# Altium PCB 1534级主板 -DRV3388-2.PcbDoc (part 3 of 3)
Units mil, origin at the board's own origin, x right, y up, seen from the top; angles counter-clockwise.
Board outline 2090.18 x 2701.44 mil, 2 copper layers (Top Layer, Bottom Layer); 7 components, 36 nets, 245 pads, 155 vias.
Unrouted connection lines stored in the file: 16.
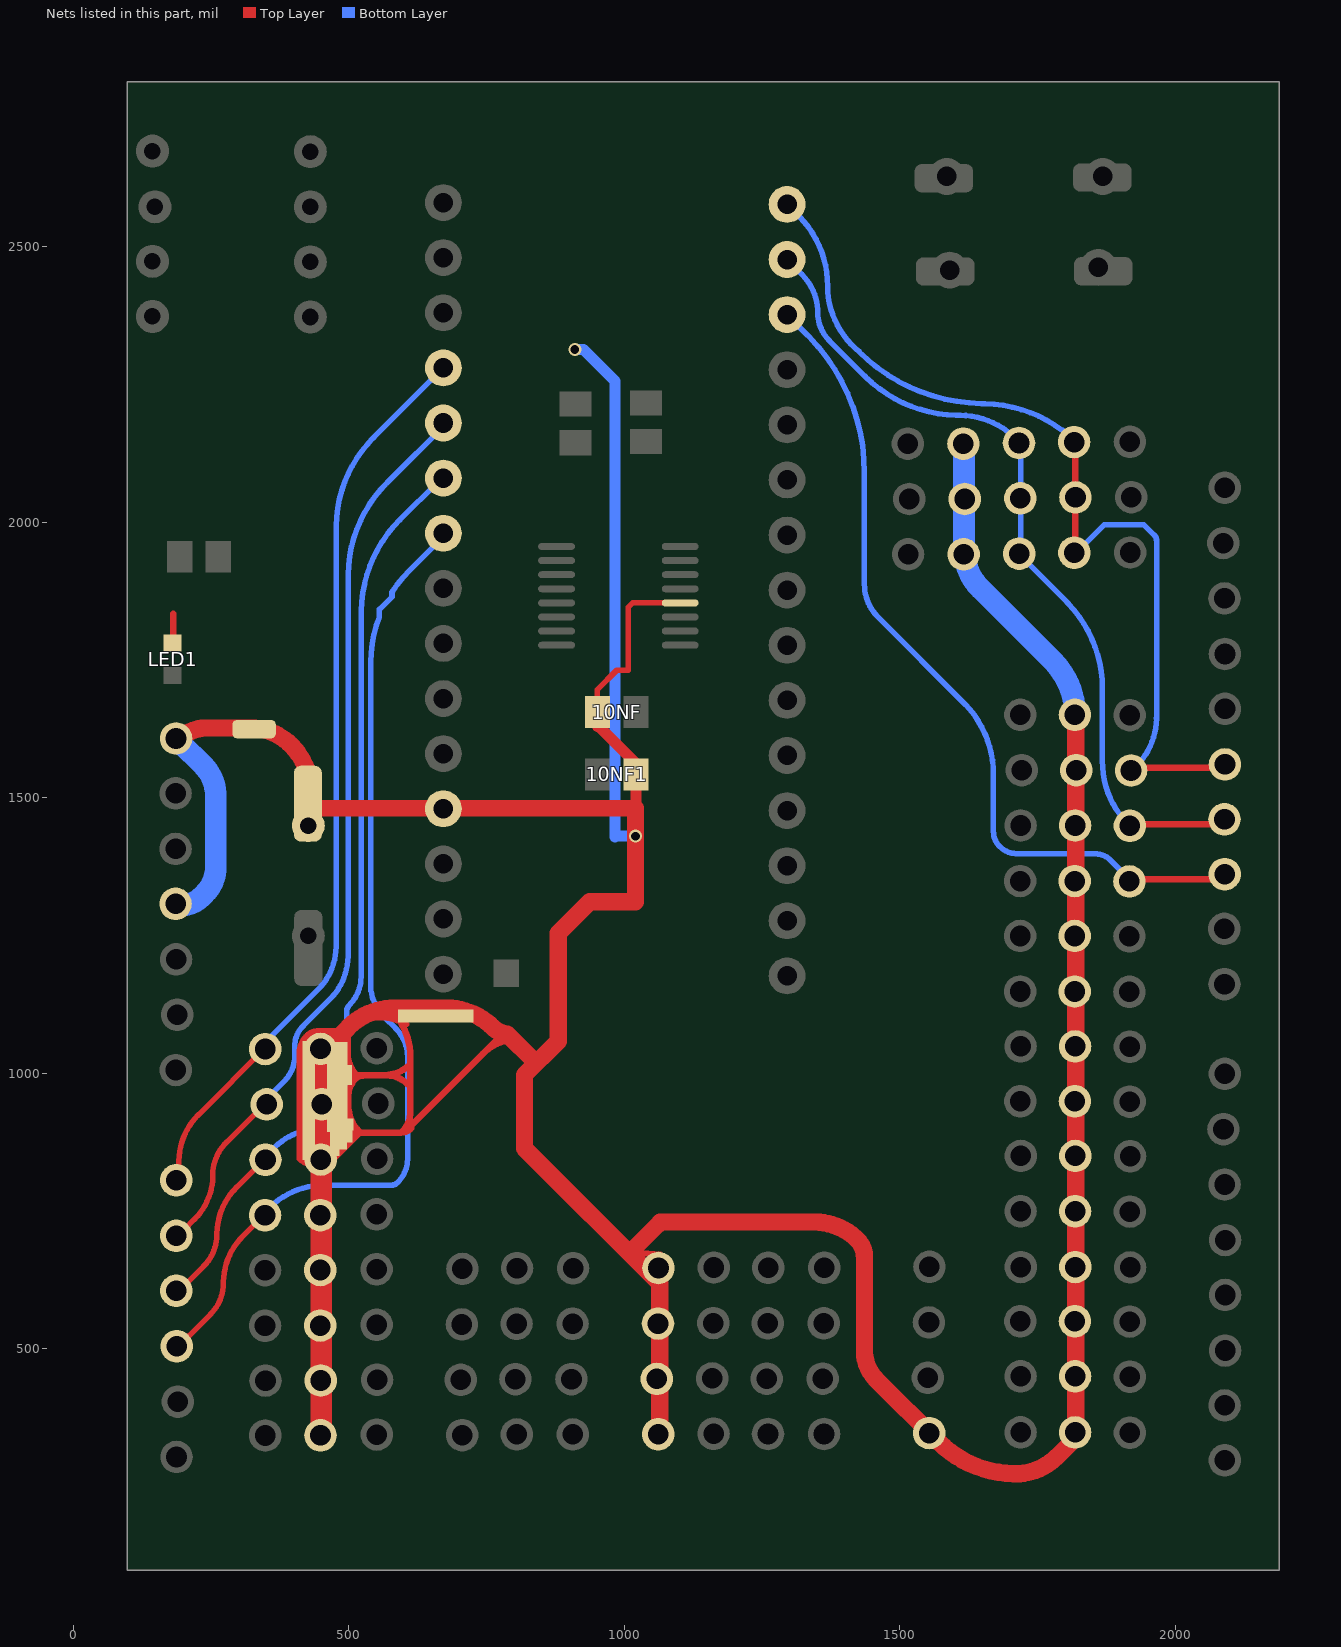
[diagram p3: the nets of this part, all layers, seen from the top]

## Via types
v1: diameter 23.62, hole 15.75, Top Layer to Bottom Layer, 153 vias
v2: diameter 50, hole 28, Top Layer to Bottom Layer, 2 vias

## Nets (pads, with @x,y where several pads share a name; then routed paths per layer and width w, separated by ;. In a path a pad name is that pad's centre, name@x,y a point inside that pad or via, vN(x,y) a via of type N, cw(c..) or ccw(c..) an arc to the next point about the centre after c; other vN are vias at no path point) (continued)
$Net23: pad.0@1295.08,2376.33 pad.0@1916.31,1347.8 pad.0@2089.25,1360.9 | length 1489.4
  Top Layer w11.81: pad.0@1922.99,1352.18 2062.4,1352.18 2062.6,1352.17 2063.4,1352.13 2064.19,1352.03 2064.97,1351.88 2065.74,1351.67 2066.5,1351.41 2067.24,1351.1 2067.95,1350.74 2068.63,1350.33 2069.29,1349.87 2069.91,1349.36 pad.0@2070.49,1348.82
  Bottom Layer w10: pad.0@1303.41,2367.99 1331.7,2339.69 1336.04,2335.28 1352.59,2316.9 1367.82,2297.41 1381.65,2276.91 1394.01,2255.49 1404.85,2233.26 1414.12,2210.32 1421.76,2186.8 1427.75,2162.8 1432.04,2138.45 1434.63,2113.85 1435.49,2089.13 1435.49,1886.8 1435.69,1880.97 1436.3,1875.17 1437.32,1869.42 1438.73,1863.76 1440.53,1858.21 1442.72,1852.8 1445.28,1847.55 1448.19,1842.5 1451.46,1837.66 1455.05,1833.06 1458.95,1828.73 1459.98,1827.69 1615.68,1671.98 1617.94,1669.68 1626.55,1660.13 1634.47,1649.99 1641.66,1639.33 1648.09,1628.19 1653.73,1616.63 1658.55,1604.7 1662.52,1592.47 1665.63,1579.99 1667.87,1567.33 1669.21,1554.53 1669.66,1541.68 1669.66,1437.9 1669.75,1435.32 1670.02,1432.75 1670.47,1430.21 1671.09,1427.7 1671.89,1425.25 1672.86,1422.85 1673.99,1420.53 1675.28,1418.3 1676.72,1416.16 1678.31,1414.12 1680.04,1412.2 1680.49,1411.74 1682.89,1409.5 1685.43,1407.44 1688.12,1405.56 1690.93,1403.87 1693.85,1402.39 1696.86,1401.11 1699.96,1400.04 1703.13,1399.19 1706.35,1398.57 1709.6,1398.17 1712.87,1398 1713.69,1397.99 1853.82,1397.99 1854.53,1397.98 1857.34,1397.83 1860.13,1397.49 1862.89,1396.95 1865.61,1396.23 1868.26,1395.31 1870.85,1394.21 1873.36,1392.94 1875.77,1391.49 1878.07,1389.88 1880.25,1388.11 1882.31,1386.19 1914.3,1354.2 1914.35,1354.15 1914.54,1353.94 1914.71,1353.71 1914.87,1353.48 1915.01,1353.23 1915.14,1352.98 1915.24,1352.71 1915.33,1352.44 1915.4,1352.17 1915.45,1351.89 1915.48,1351.6 pad.0@1915.49,1351.32
$Net24: pad.0@1295.08,2476.33 pad.0@1715.92,2143.4 pad.0@1716.34,1942.58 pad.0@1718.42,2043 pad.0@1917.15,1448.64 pad.0@2088.84,1460.49 | length 1512
  Top Layer w11.81: pad.0@1928.83,1451.33 2098.44,1451.33 2099.63,1451.37 2100.81,1451.5 2101.98,1451.7 2103.14,1451.99 2104.27,1452.36 2105.37,1452.8 2106.44,1453.32 2107.47,1453.92 2108.46,1454.58 2109.39,1455.32 2110.28,1456.11 pad.0@2110.49,1456.32
  Bottom Layer w10: pad.0@1288.45,2481.34 1288.59,2481.33 1288.73,2481.31 1288.86,2481.29 1288.99,2481.25 1289.12,2481.21 1289.25,2481.15 1289.37,2481.09 1289.49,2481.02 1289.6,2480.94 1289.71,2480.85 pad.0@1289.81,2480.76 ; pad.0@1295.08,2476.33 1321.67,2449.75 1322.88,2448.51 1327.55,2443.32 1331.85,2437.82 1335.75,2432.03 1339.24,2425.99 1342.3,2419.71 1344.92,2413.24 1347.08,2406.6 1348.76,2399.83 1349.98,2392.96 1350.71,2386.02 1350.95,2379.04 1351.12,2374.16 1351.63,2369.3 1352.48,2364.49 1353.66,2359.75 1355.17,2355.1 1357,2350.57 1359.14,2346.18 1361.59,2341.95 1364.32,2337.89 1367.33,2334.04 1370.6,2330.41 1371.43,2329.57 ; 1371.46,2329.54 1436.79,2264.2 1449.05,2252.76 1462.09,2242.21 1475.82,2232.59 1490.2,2223.95 1505.14,2216.34 1520.58,2209.79 1536.43,2204.33 1552.63,2199.99 1569.09,2196.79 1585.74,2194.74 1602.49,2193.87 1606.69,2193.83 1609.26,2193.81 1619.58,2193.27 1629.83,2192.01 1639.97,2190.04 1649.95,2187.37 1659.71,2184 1669.22,2179.97 1678.42,2175.28 1687.28,2169.96 1695.74,2164.03 1703.77,2157.53 pad.0@1711.32,2150.49 ; pad.0@1718.82,2144.24 1718.82,1947.42 1718.88,1945.83 1719.04,1944.25 1719.32,1942.69 1719.7,1941.15 1720.19,1939.64 1720.79,1938.16 1721.48,1936.73 1722.28,1935.36 1723.17,1934.04 1724.14,1932.79 1725.21,1931.61 pad.0@1725.49,1931.32 ; pad.0@1725.52,1931.32 1725.66,1931.31 1725.8,1931.29 1725.94,1931.27 1726.08,1931.23 1726.21,1931.18 1726.34,1931.13 1726.46,1931.07 1726.58,1930.99 1726.7,1930.91 1726.81,1930.83 1726.91,1930.73 1802.3,1855.35 ; 1802.17,1855.08 1804.89,1852.32 1815.25,1840.81 1824.79,1828.6 1833.45,1815.76 1841.19,1802.35 1847.98,1788.42 1853.79,1774.06 1858.57,1759.33 1862.32,1744.3 1865.01,1729.05 1866.63,1713.64 1867.17,1698.16 1867.17,1566.34 1867.57,1554.83 1868.78,1543.38 1870.78,1532.04 1873.56,1520.86 1877.12,1509.91 1881.43,1499.23 1886.48,1488.88 1892.24,1478.91 1898.68,1469.36 1905.77,1460.29 1913.48,1451.73 1915.49,1449.68 pad.0@1915.89,1449.27
$Net25: pad.0@1295.08,2576.33 pad.0@1815.91,2145.06 pad.0@1816.33,1944.24 pad.0@1818.41,2044.66 pad.0@1919.24,1549.06 pad.0@2089.67,1560.08 | length 1752.4
  Top Layer w11.81: pad.0@1818.41,2152.99 1818.41,1941.63 1818.42,1941.23 1818.47,1940.83 1818.53,1940.44 1818.63,1940.05 1818.75,1939.67 1818.9,1939.3 1819.08,1938.94 1819.28,1938.6 1819.5,1938.27 1819.75,1937.95 1820.02,1937.66 pad.0@1820.08,1937.58 ; pad.0@1922.17,1553.83 2094.81,1553.83 2094.91,1553.83 2095.31,1553.81 2095.7,1553.77 2096.09,1553.69 2096.47,1553.59 2096.85,1553.46 2097.21,1553.3 2097.57,1553.12 2097.91,1552.92 2098.23,1552.69 2098.54,1552.44 pad.0@2098.83,1552.17
  Bottom Layer w10: pad.0@1292.58,2577.17 1292.67,2577.17 1293.01,2577.15 1293.36,2577.11 1293.7,2577.04 1294.04,2576.95 1294.37,2576.84 1294.69,2576.7 1295,2576.55 1295.3,2576.37 1295.58,2576.17 1295.86,2575.95 1296.11,2575.71 1315.79,2556.02 1318,2553.77 1326.46,2544.38 1334.24,2534.42 1341.31,2523.94 1347.63,2513 1353.17,2501.64 1357.9,2489.92 1361.81,2477.9 1364.86,2465.64 1367.06,2453.19 1368.38,2440.62 1368.82,2427.99 ; 1368.54,2429.16 1368.91,2418.43 1370.04,2407.75 1371.9,2397.17 1374.5,2386.75 1377.82,2376.54 1381.84,2366.58 1386.55,2356.93 1391.92,2347.63 1397.92,2338.72 1404.54,2330.26 1411.72,2322.28 1419.45,2314.82 1426.44,2308.89 ; 1425.2,2309.45 1441.69,2294.07 1459.21,2279.89 1477.68,2266.95 1497,2255.34 1517.09,2245.11 1537.84,2236.3 1559.16,2228.96 1580.94,2223.12 1603.07,2218.82 1625.45,2216.07 1647.96,2214.89 1653.6,2214.85 ; 1649.66,2214.68 1653.87,2214.64 1670.7,2213.76 1687.43,2211.71 1703.97,2208.49 1720.24,2204.13 1736.18,2198.65 1751.69,2192.06 1766.7,2184.41 1781.15,2175.73 1794.95,2166.07 1808.05,2155.46 pad.0@1820.37,2143.97 ; pad.0@1818.42,1943.42 1818.49,1943.42 1818.56,1943.43 1818.63,1943.44 1818.7,1943.46 1818.77,1943.48 1818.83,1943.51 1818.89,1943.54 1818.96,1943.57 1819.01,1943.61 1819.07,1943.66 pad.0@1819.12,1943.7 ; pad.0@1819.13,1943.71 1870.35,1994.94 1881.1,1994.94 ; 1878.86,1994.93 1942.74,1994.93 1961.74,1975.93 1961.9,1975.76 1962.5,1975.1 1963.05,1974.39 1963.55,1973.65 1963.99,1972.88 1964.38,1972.08 1964.72,1971.25 1964.99,1970.4 1965.21,1969.53 1965.37,1968.65 1965.46,1967.76 1965.49,1966.87 1965.49,1645.67 1965.47,1643.49 1965.01,1634.76 1963.95,1626.09 1962.28,1617.52 1960.02,1609.08 1957.17,1600.82 1953.76,1592.78 1949.8,1584.99 1945.3,1577.5 1940.29,1570.35 1934.79,1563.56 pad.0@1928.83,1557.17
$Net26: pad.0@186.75,805.5 pad.0@348.2,1043.62 pad.0@671.33,2279.65 | length 1655.7
  Top Layer w10: pad.0@190.49,788.82 190.63,788.97 190.75,789.12 190.87,789.29 190.97,789.46 191.06,789.64 191.14,789.82 191.21,790.01 191.26,790.2 191.3,790.4 191.32,790.6 191.33,790.8 191.33,790.86 191.33,838.83 191.36,840.95 191.8,849.36 192.82,857.72 194.43,865.99 196.61,874.13 199.35,882.1 202.65,889.85 206.47,897.36 210.81,904.58 215.64,911.48 220.94,918.03 226.69,924.19 pad.0@350.74,1048.24 ; pad.0@350.77,1048.27 350.88,1048.36 350.99,1048.45 351.1,1048.52 351.23,1048.59 351.35,1048.66 351.48,1048.71 351.62,1048.75 351.75,1048.79 351.89,1048.81 352.03,1048.83 pad.0@352.17,1048.83
  Bottom Layer w10: pad.0@355.87,1063.37 443.83,1151.33 449.18,1157.07 454.11,1163.16 458.61,1169.58 462.65,1176.31 466.21,1183.29 469.28,1190.51 471.83,1197.93 473.86,1205.5 475.36,1213.2 476.31,1220.99 476.72,1228.82 476.74,1230.78 476.74,1988.82 476.78,1992.89 477.62,2009.08 479.6,2025.18 482.7,2041.1 486.89,2056.77 492.17,2072.1 498.51,2087.03 505.88,2101.48 514.23,2115.39 523.53,2128.67 533.74,2141.28 544.8,2153.14 pad.0@669.07,2277.4
  Bottom Layer w11.81: pad.0@352.99,1062.18 353.27,1062.19 353.56,1062.22 353.84,1062.27 354.11,1062.34 354.38,1062.43 354.65,1062.53 354.9,1062.66 355.15,1062.8 355.38,1062.96 355.61,1063.13 355.82,1063.32 pad.0@355.87,1063.37 ; pad.0@669.09,2277.43 669.2,2277.52 669.31,2277.61 669.42,2277.68 669.55,2277.75 669.67,2277.82 669.8,2277.87 669.94,2277.91 670.07,2277.95 670.21,2277.97 670.35,2277.99 pad.0@670.49,2277.99
$Net27: pad.0@186.74,704.68 pad.0@350.7,943.22 pad.0@671.33,2179.65 | length 1629.4
  Top Layer w10: pad.0@200.49,715.49 219.98,734.98 225.35,740.73 230.3,746.85 234.81,753.29 238.86,760.04 242.43,767.05 245.51,774.29 248.07,781.73 250.1,789.33 251.61,797.05 252.56,804.86 252.98,812.71 252.99,814.68 253.01,816.14 253.31,822.03 254.03,827.88 255.16,833.67 256.68,839.36 258.6,844.94 260.91,850.36 263.58,855.62 266.62,860.67 270,865.5 273.71,870.08 277.73,874.39 342.9,939.56 342.97,939.63 343.29,939.92 343.62,940.18 343.97,940.41 344.33,940.62 344.71,940.81 345.1,940.97 345.51,941.1 345.91,941.2 346.33,941.27 346.75,941.32 pad.0@347.17,941.33
  Bottom Layer w10: pad.0@353.79,956.29 382.43,984.93 385.57,988.3 388.46,991.87 391.1,995.64 393.47,999.59 395.56,1003.69 397.36,1007.92 398.86,1012.27 400.05,1016.72 400.93,1021.24 401.49,1025.8 401.73,1030.4 401.74,1031.55 401.74,1049.09 401.75,1049.98 401.94,1053.55 402.37,1057.1 403.05,1060.61 403.98,1064.06 405.14,1067.44 406.54,1070.73 408.16,1073.92 410,1076.98 412.05,1079.91 414.3,1082.69 416.74,1085.3 465.58,1134.14 470.92,1139.86 475.84,1145.95 480.33,1152.36 484.36,1159.06 487.91,1166.04 490.97,1173.24 493.52,1180.64 495.55,1188.2 497.04,1195.88 497.99,1203.65 498.4,1211.46 498.42,1213.42 498.42,1900.5 498.46,1904.71 499.34,1921.54 501.39,1938.27 504.61,1954.81 508.97,1971.08 514.45,1987.02 521.04,2002.53 528.69,2017.54 537.37,2031.99 547.03,2045.79 557.64,2058.89 569.13,2071.21 pad.0@677.82,2179.9
  Bottom Layer w11.81: pad.0@349.67,946.33 349.67,946.58 349.72,947.56 349.84,948.53 350.03,949.5 350.28,950.45 350.6,951.38 350.98,952.28 351.43,953.16 351.94,954 352.5,954.81 353.12,955.57 pad.0@353.79,956.29 ; pad.0@677.84,2179.93 677.95,2180.02 678.06,2180.11 678.17,2180.18 678.3,2180.25 678.42,2180.32 678.55,2180.37 678.69,2180.41 678.82,2180.45 678.96,2180.47 679.1,2180.49 pad.0@679.24,2180.49
$Net28: pad.0@186.74,605.09 pad.0@348.62,842.8 pad.0@671.33,2079.65 | length 1653.1
  Top Layer w10: pad.0@201.33,614.67 236.92,650.25 240.75,654.36 244.29,658.72 247.51,663.32 250.4,668.14 252.95,673.14 255.14,678.31 256.97,683.62 258.43,689.05 259.5,694.56 260.18,700.14 260.48,705.75 260.49,707.16 260.52,709.27 260.96,717.68 261.98,726.04 263.59,734.31 265.77,742.45 268.51,750.42 271.81,758.17 275.63,765.68 279.97,772.9 284.8,779.8 290.1,786.35 295.85,792.51 336.51,833.18 337.56,834.31 338.54,835.51 339.42,836.78 340.22,838.1 340.92,839.48 341.52,840.9 342.03,842.36 342.43,843.85 342.72,845.37 342.91,846.9 342.99,848.44 pad.0@342.99,848.82
  Bottom Layer w10: pad.0@365.49,865.49 366.86,866.83 372.54,871.95 378.57,876.65 384.91,880.93 391.53,884.75 398.4,888.11 405.49,890.97 412.77,893.34 420.19,895.19 427.72,896.51 435.33,897.31 442.97,897.58 472.64,897.58 474.03,897.63 475.42,897.77 476.79,898.02 478.14,898.35 479.46,898.78 480.75,899.3 482.01,899.92 483.21,900.61 484.37,901.39 485.46,902.25 486.5,903.18 486.74,903.43 488.3,905.1 489.74,906.88 491.05,908.75 492.23,910.71 493.26,912.75 494.16,914.85 494.9,917.01 495.49,919.22 495.93,921.47 496.21,923.74 496.33,926.02 496.33,926.58 496.33,1113.53 496.33,1113.75 496.38,1114.65 496.49,1115.53 496.66,1116.41 496.89,1117.27 497.18,1118.12 497.53,1118.94 497.94,1119.73 498.4,1120.5 498.91,1121.23 499.47,1121.93 500.08,1122.58 503.67,1126.43 506.98,1130.52 510,1134.83 512.71,1139.34 515.1,1144.03 517.16,1148.88 518.87,1153.85 520.23,1158.94 521.24,1164.1 521.88,1169.33 522.15,1174.58 522.17,1175.9 522.17,1833.85 522.21,1838.06 523.09,1854.89 525.14,1871.62 528.36,1888.16 532.72,1904.43 538.2,1920.37 544.79,1935.88 552.44,1950.89 561.12,1965.34 570.78,1979.14 581.39,1992.24 592.88,2004.56 pad.0@662.17,2073.85
  Bottom Layer w11.81: pad.0@662.17,2073.85 662.34,2074.02 663.08,2074.68 663.85,2075.29 664.67,2075.84 665.53,2076.34 666.41,2076.77 667.33,2077.14 668.27,2077.44 669.22,2077.68 670.19,2077.85 671.17,2077.96 pad.0@672.16,2077.99
$Net29: pad.0@187.58,504.25 pad.0@347.77,741.96 pad.0@671.33,1979.65 | length 1774.5
  Top Layer w10: pad.0@209.66,522.99 248.6,561.93 252.43,566.04 255.97,570.4 259.19,575 262.08,579.82 264.63,584.82 266.82,589.99 268.65,595.3 270.11,600.73 271.18,606.24 271.86,611.82 272.16,617.43 272.17,618.83 272.19,620.95 272.63,629.36 273.65,637.72 275.26,645.99 277.44,654.13 280.18,662.1 283.48,669.85 287.3,677.36 291.64,684.58 296.47,691.48 301.77,698.03 307.52,704.19 347.54,744.21 348.02,744.72 348.46,745.27 348.86,745.84 349.22,746.45 349.54,747.07 349.82,747.72 350.05,748.38 350.23,749.06 350.36,749.75 350.45,750.44 350.48,751.14 pad.0@350.49,751.32
  Bottom Layer w10: pad.0@355.91,755.49 357.65,757.21 364.96,763.79 372.71,769.84 380.86,775.34 389.37,780.25 398.21,784.56 407.32,788.25 416.67,791.28 426.21,793.66 435.89,795.37 445.67,796.4 455.49,796.74 576.75,796.74 577.94,796.78 579.13,796.91 580.3,797.11 581.46,797.4 582.59,797.77 583.69,798.22 584.76,798.74 585.8,799.33 586.78,800 587.72,800.73 588.61,801.53 588.82,801.74 591.67,804.79 594.29,808.03 596.68,811.45 598.83,815.03 600.73,818.75 602.36,822.59 603.72,826.53 604.8,830.56 605.59,834.66 606.1,838.8 606.32,842.97 606.33,844.01 606.33,1030.08 606.16,1035.06 605.63,1040.02 604.77,1044.93 603.56,1049.77 602.02,1054.51 600.16,1059.13 597.97,1063.61 595.48,1067.93 592.69,1072.06 589.62,1075.99 586.29,1079.69 585.42,1080.58 563.83,1102.17 562.8,1103.22 558.88,1107.57 555.27,1112.19 552,1117.05 549.07,1122.12 546.5,1127.39 544.3,1132.82 542.49,1138.4 541.07,1144.08 540.06,1149.86 539.44,1155.68 539.24,1161.54 539.24,1741.33 539.28,1745.54 540.16,1762.37 542.21,1779.1 545.43,1795.64 549.79,1811.91 555.27,1827.85 555.27,1841.27 578.19,1864.19 578.19,1872.82 587.85,1886.62 598.46,1899.72 609.95,1912.04 pad.0@668.34,1970.42
  Bottom Layer w11.81: pad.0@668.34,1970.42 668.96,1971.09 669.54,1971.8 670.06,1972.55 670.53,1973.33 670.95,1974.14 671.3,1974.98 671.6,1975.85 671.84,1976.73 672.01,1977.62 672.12,1978.53 672.17,1979.44 pad.0@672.17,1979.67
$Net37: 10NF1.2 10NF.1 ?.12 pad.0@185.49,1307.18 pad.0@186.32,1607.17 pad.0@447.99,642.58 pad.0@447.99,742.17 pad.0@448,541.76 pad.0@448.42,342.58 pad.0@448.42,1043.83 pad.0@448.83,442.17 pad.0@448.84,843.01 pad.0@450.92,943.43 pad.0@671.33,1479.65 pad.0@1058.82,445.06 pad.0@1060.9,545.48 pad.0@1061.31,344.67 pad.0@1061.74,646.32 pad.0@1552.99,346.78 pad.0@1615.07,2142.14 pad.0@1615.49,1941.32 pad.0@1617.57,2041.74 pad.0@1816.94,1248.83 pad.0@1816.94,1348.42 pad.0@1816.95,1148.01 pad.0@1817.37,549.68 pad.0@1817.37,948.82 pad.0@1817.37,1650.07 pad.0@1817.77,449.67 pad.0@1817.77,1048.42 pad.0@1817.78,348.01 pad.0@1817.78,749.26 pad.0@1817.78,1449.26 pad.0@1818.2,648.01 pad.0@1818.19,849.67 pad.0@1819.87,1549.68 pad.1@327.99,1624.13 pad.1@425.49,1488.84 pad.1@426.32,1449 pad.1@427.17,950.08 pad.1@474.04,874.46 pad.1@479.04,975.08 pad.1@482.37,879.88 pad.1@495.49,885.91 pad.1@499.45,996.54 pad.1@500.91,906.33 pad.1@657.58,1103.83 | length 10138
  Top Layer w10: 536.37,1100.85 549.3,1100.85 551.63,1100.83 560.87,1100.35 570.06,1099.22 579.15,1097.45 588.09,1095.06 596.85,1092.04 605.37,1088.42 ; 10NF.1@950.96,1655 950.96,1695.96 986,1731 1007,1731 1007,1845.41 1014.8,1853.2 ?.12@1101.2,1853.2
  Top Layer w11.81: pad.0@433.82,835.49 433.26,835.5 431.02,835.62 428.79,835.89 426.59,836.32 424.42,836.9 422.3,837.63 420.23,838.51 418.24,839.53 416.31,840.68 414.47,841.97 412.73,843.38 411.09,844.91 410.97,845.04 410.88,845.15 410.8,845.27 410.73,845.39 410.67,845.52 410.61,845.66 410.57,845.79 410.53,845.93 410.51,846.07 410.5,846.22 410.49,846.36 410.49,1033.79 410.5,1034.63 410.68,1038.01 411.09,1041.36 411.73,1044.67 412.61,1047.93 413.71,1051.12 415.03,1054.23 416.56,1057.24 418.3,1060.13 420.23,1062.9 422.36,1065.52 424.66,1067.99 424.97,1068.3 426.3,1069.5 427.71,1070.6 429.19,1071.6 430.74,1072.49 432.34,1073.28 434,1073.95 435.7,1074.5 437.44,1074.93 439.2,1075.24 440.97,1075.43 442.76,1075.49 488.82,1075.49 ; pad.0@448.84,820.93 517.97,890.05 ; 451.33,895.92 451.98,895.31 452.68,894.75 453.41,894.24 454.18,893.78 454.97,893.37 455.79,893.02 456.64,892.73 457.5,892.5 458.38,892.33 459.26,892.22 460.16,892.17 460.39,892.17 593.83,892.17 595.8,892.24 597.75,892.44 599.69,892.79 601.59,893.26 603.46,893.87 605.29,894.61 607.06,895.47 608.76,896.45 610.39,897.55 611.94,898.76 613.4,900.08 610.75,902.42 777.48,1069.14 780.48,1067.14 ; 459.24,995.93 562.5,995.93 567.36,996.1 572.19,996.61 576.98,997.45 581.7,998.63 586.32,1000.13 590.83,1001.95 595.19,1004.08 599.4,1006.51 603.43,1009.23 607.26,1012.22 610.88,1015.48 611.74,1016.32 ; pad.1@462.58,1002.17 462.58,1001.53 462.62,1000.44 462.73,999.36 462.92,998.28 463.18,997.23 463.52,996.19 463.93,995.18 464.41,994.2 464.95,993.26 465.56,992.35 466.23,991.5 466.96,990.69 pad.1@467.16,990.49 ; 503.83,1082.58 502.81,1081.49 501.88,1080.33 501.02,1079.11 500.26,1077.84 499.58,1076.51 499,1075.14 498.51,1073.73 498.13,1072.29 497.84,1070.83 497.66,1069.35 497.58,1067.86 497.58,1067.49 497.58,1037.47 497.73,1033.2 498.18,1028.96 498.92,1024.76 499.95,1020.62 501.27,1016.56 502.87,1012.6 504.74,1008.77 506.87,1005.07 509.26,1001.53 511.88,998.17 514.74,995 515.49,994.24 ; 518.41,894.24 517.58,895.08 514.46,898.54 511.59,902.22 508.98,906.09 506.65,910.13 504.6,914.33 502.85,918.65 501.41,923.09 500.28,927.62 499.47,932.21 498.98,936.86 498.82,941.52 498.82,957.31 498.84,958.13 499.01,961.4 499.41,964.65 500.03,967.86 500.88,971.02 501.95,974.12 503.23,977.13 504.71,980.05 506.4,982.86 508.28,985.54 510.34,988.09 512.57,990.48 512.78,990.69 513.67,991.49 514.61,992.22 515.6,992.89 516.63,993.49 517.7,994.01 518.81,994.46 519.95,994.83 521.1,995.12 522.28,995.32 523.47,995.45 524.66,995.49 ; 545.08,1107.58 555.48,1107.58 ; 566.33,996.33 567.34,996.32 571.33,996.11 575.3,995.62 579.23,994.86 583.09,993.83 586.87,992.52 590.55,990.96 594.11,989.15 597.54,987.09 600.82,984.79 603.93,982.28 606.85,979.55 ; 574.67,1116.33 575.97,1115.03 577.44,1113.53 583.08,1107.27 588.27,1100.63 592.98,1093.65 597.19,1086.35 600.88,1078.78 604.04,1070.97 606.64,1062.95 608.68,1054.78 610.15,1046.48 611.03,1038.1 611.32,1029.68 611.32,928.44 611.32,927.6 611.14,924.22 610.73,920.87 610.09,917.56 609.21,914.3 608.11,911.11 606.79,908 605.26,904.99 603.52,902.1 601.59,899.33 599.46,896.71 597.16,894.24 ; 743.41,1035.49 744.49,1036.56 748.99,1040.61 753.76,1044.34 758.79,1047.73 764.04,1050.76 769.48,1053.41 775.1,1055.68 780.86,1057.56 786.74,1059.02 792.71,1060.08 798.73,1060.71 804.79,1060.92 ; 1011.22,675.22 1065.36,670.3 1064.56,669.31 1063.84,668.28 1063.19,667.2 1062.61,666.07 1062.12,664.91 1061.71,663.71 1061.38,662.49 1061.14,661.25 1060.99,660 1060.92,658.74 pad.0@1060.92,658.42 ; 1114.52,731.48 1114.61,731.37 1114.7,731.26 1114.77,731.15 1114.84,731.02 1114.91,730.9 1114.96,730.77 1115,730.63 1115.04,730.5 1115.06,730.36 1115.08,730.22 1115.08,730.08
  Top Layer w20: 10NF.1@950.96,1629.04 10NF.1@950.96,1655 950.96,1632.04 1021.04,1561.96 v1@1021.04,1424
  Top Layer w30: pad.1@431.21,1480.49 1020,1480.49 ; 1011.22,675.22 1060.08,724.08
  Top Layer w31.5: pad.0@188.83,1603.83 189.79,1604.77 193.77,1608.36 198,1611.66 202.44,1614.66 207.09,1617.34 211.9,1619.69 216.88,1621.7 221.98,1623.35 227.18,1624.65 232.46,1625.58 237.79,1626.14 243.15,1626.33 319.56,1626.33 321.44,1626.32 328.88,1625.93 336.29,1625.02 343.61,1623.59 350.82,1621.66 357.87,1619.23 364.74,1616.32 371.38,1612.93 377.78,1609.09 383.89,1604.81 389.68,1600.12 395.14,1595.03 396.61,1593.53 402.25,1587.27 407.44,1580.63 412.15,1573.65 416.36,1566.35 420.05,1558.78 423.21,1550.97 425.81,1542.95 427.85,1534.78 429.32,1526.48 430.2,1518.1 430.49,1509.68 pad.1@430.49,1466.32 ; pad.0@450.49,1041.32 451.61,1041.36 452.73,1041.48 453.84,1041.67 454.93,1041.94 455.99,1042.29 457.03,1042.71 458.04,1043.2 459.02,1043.76 459.95,1044.39 460.83,1045.08 461.67,1045.84 461.87,1046.04 498.47,1082.64 499.97,1084.11 506.23,1089.75 512.87,1094.94 519.85,1099.65 527.15,1103.86 534.72,1107.55 542.53,1110.71 550.55,1113.31 558.72,1115.35 567.02,1116.82 575.4,1117.7 583.82,1117.99 676.32,1117.99 678.44,1117.97 686.85,1117.53 695.21,1116.51 703.48,1114.9 711.62,1112.72 719.59,1109.98 727.34,1106.68 734.85,1102.86 742.07,1098.52 748.97,1093.69 755.52,1088.39 761.68,1082.64 763.8,1080.67 766.05,1078.84 768.42,1077.18 770.9,1075.69 773.48,1074.38 776.14,1073.25 778.88,1072.31 781.67,1071.56 784.51,1071.01 787.39,1070.65 836.04,1022 ; 1020,1480.49 1020,1310.83 936.83,1310.83 880,1254 880,1058 818.51,996.51 818.51,863.52 1063.83,618.2 pad.0@1063.83,342.17 ; 1064.67,729.67 1344.55,729.67 1346.49,729.65 1354.22,729.25 1361.9,728.31 1369.5,726.83 1376.98,724.82 1384.3,722.3 1391.43,719.28 1398.33,715.76 1404.97,711.77 1411.31,707.33 1417.33,702.46 1422.99,697.18 1423.51,696.65 1425.5,694.43 1427.34,692.09 1429,689.62 1430.49,687.04 1431.8,684.36 1432.92,681.6 1433.84,678.76 1434.56,675.87 1435.07,672.94 1435.39,669.98 1435.49,667 1435.49,496.16 1435.67,491 1436.21,485.86 1437.11,480.77 1438.36,475.76 1439.95,470.85 1441.89,466.06 1444.15,461.41 1446.74,456.94 1449.62,452.66 1452.8,448.59 1456.26,444.75 1457.17,443.83 1570.27,330.73 1580.33,321.35 1591.02,312.69 1602.29,304.8 1614.09,297.71 1626.35,291.46 1639.01,286.09 1652.02,281.61 1665.31,278.05 1678.81,275.42 1692.47,273.75 1706.21,273.03 1709.66,272.99 1717.1,273.25 1724.5,274.03 1731.83,275.32 1739.05,277.12 1746.13,279.42 1753.03,282.21 1759.72,285.47 1766.17,289.19 1772.34,293.35 1778.2,297.94 1783.73,302.92 1785.06,304.22 pad.0@1824.67,343.83 ; pad.0@1818.82,345.49 1818.82,1643.48 1818.83,1643.53 1818.84,1643.73 1818.86,1643.92 1818.9,1644.12 1818.95,1644.31 1819.02,1644.5 1819.09,1644.68 1819.18,1644.86 1819.29,1645.03 1819.4,1645.19 1819.52,1645.34 pad.0@1819.66,1645.49
  Top Layer w39.37: pad.1@427.17,1482.17 427.46,1481.9 427.77,1481.65 428.1,1481.42 428.44,1481.21 428.8,1481.03 429.17,1480.87 429.55,1480.74 429.93,1480.64 430.32,1480.56 430.72,1480.51 431.12,1480.49 pad.1@431.21,1480.49 ; pad.0@449.67,338.83 pad.0@449.67,1046.33 ; pad.0@449.67,850.24 449.68,850.44 449.7,850.63 449.74,850.82 449.79,851.01 449.85,851.2 449.93,851.38 450.02,851.55 450.12,851.72 450.23,851.88 450.36,852.04 pad.0@450.49,852.18
  Bottom Layer w20: v1(910,2313) 926,2313 983,2256 983,1428 985,1430 v1(1020,1430)
  Bottom Layer w39.37: pad.0@190.49,1610.07 190.53,1608.95 190.65,1607.84 190.84,1606.73 191.11,1605.65 191.46,1604.58 191.88,1603.54 192.37,1602.53 192.93,1601.56 193.56,1600.64 194.24,1599.75 194.99,1598.92 195.19,1598.72 235.73,1558.18 236.68,1557.22 240.3,1553.2 243.63,1548.94 246.65,1544.46 249.35,1539.78 251.72,1534.92 253.75,1529.91 255.42,1524.77 256.73,1519.52 257.67,1514.2 258.23,1508.82 258.42,1503.42 258.42,1373.04 258.4,1371.89 258.16,1367.32 257.61,1362.79 256.74,1358.3 255.55,1353.89 254.07,1349.57 252.28,1345.36 250.21,1341.29 247.85,1337.38 245.23,1333.63 242.36,1330.08 239.24,1326.74 231.63,1319.13 231.01,1318.52 228.45,1316.22 225.74,1314.1 222.88,1312.18 219.9,1310.45 216.8,1308.94 213.61,1307.65 210.34,1306.59 207,1305.76 203.61,1305.16 200.18,1304.8 pad.0@196.74,1304.68 ; pad.0@1611.33,2138.83 1611.54,2138.62 1612.33,2137.73 1613.07,2136.8 1613.73,2135.81 1614.33,2134.78 1614.85,2133.71 1615.29,2132.61 1615.66,2131.48 1615.95,2130.32 1616.15,2129.15 1616.28,2127.97 1616.32,2126.78 1616.32,1950.49 1616.56,1943.47 1617.3,1936.49 1618.52,1929.58 1620.22,1922.76 1622.39,1916.09 1625.02,1909.58 1628.09,1903.27 1631.6,1897.19 1635.53,1891.36 1639.85,1885.83 1644.55,1880.61 1645.79,1879.36 1776.15,1748.99 1777.9,1747.22 1784.57,1739.81 1790.71,1731.95 1796.29,1723.68 1801.27,1715.05 1805.64,1706.09 1809.38,1696.84 1812.46,1687.36 1814.87,1677.69 1816.6,1667.87 1817.64,1657.95 pad.0@1817.99,1647.99
$Net44: 
$Net45: 
$Net46: 
$Net47: LED1.1 pad.1@179.87,1782.99 | length 45.6
  Top Layer w11.81: LED1.1@181.33,1788.28 181.33,1833.87
$Net48: 
$Net49: 
$Net50: 
$Net51: 
pads on no net: 2.2UF.1 2.2UF.2 10NF1.1 10NF.2 47K.1 47K.2 220R.1 ?.1 ?.2 ?.3 ?.4 ?.5 ?.6 ?.7 ?.8 ?.11 ?.13 ?.14
copper on no net: | length 7913.6
  Top Layer w10: 181.33,1833.87 192.96,1845.5 192.96,1937 ; 254,1945 256,1943 ; 477,2086 634,1929 739,1929 814.8,1853.2 876.8,1853.2 ; 560,1830 747,1830 774.98,1802.02 876.8,1802.02 ; 560,2230 788,2230 793,2235 793,1903 817.2,1878.8 876.8,1878.8 ; 620.57,2326 808,2326 ; 810,1930 810,2326 ; 810.02,1929.98 876.8,1929.98 ; 825.33,1546 825.33,1675.33 883,1733 946,1733 946,1903 ; 876.8,1827.61 946,1827.61 ; 876.8,1904.39 946,1904.39 ; 876.8,1955.57 876.8,2086.76 911,2120.96 911,2143.96 ; 910,2212.04 910,2313 ; 947.2,1878.8 1101.2,1878.8 ; 992,1878.8 992,2033 974,2051 974,2289 993,2308 1039,2308 ; 1021.04,1655 1021.04,1713.04 1032,1724 1032,1734 1032,1827 1031.39,1827.61 1101.2,1827.61 ; 1039,2145.96 1039,1904.39 1101.2,1904.39 ; 1039,2216.04 1039,2308 ; 1211.75,2340.08 1071.08,2340.08 1039,2308
  Top Layer w20: 143.52,2373 210,2373 ; 210,2381 477,2114 477,2086 ; v2@334,2138 334,2117 560,1891 560,1830 ; 373,2474 373,2475 ; 430,2360 430,2373 560,2243 560,2230 ; 471.57,2475 620.57,2326 ; 825.33,1546 946.96,1546 950.96,1542
  Top Layer w30: 148,2572 207.93,2572 210,2569.93 210,2373 ; 365.21,2481.79 344,2503 344,2667 430,2667 ; 373,2475 471.57,2475
  Bottom Layer w10: 143.52,2676.19 164.43,2655.29
  Bottom Layer w11.81: 143.52,2673 143.52,2676.19
  Bottom Layer w20: 238.63,2410.37 243.22,2405.78 386.5,2262.5 386.5,2190.5 v2(327,2131) ; 430,2372 359,2372 319,2412 319,2572 430,2572
  Bottom Layer w30: 143.52,2473 236,2473 ; 143.52,2673 238.63,2673 238.63,2410.37

## Polygon pours and split planes (outlines as drawn)
$Net0 on Top Layer (solid, pour order 393): 2999,565
no net on Top Layer (solid, pour order 391): 43,2821 53,2831 2216,2831 2216,83 2202,69 2199,72 50,72 50,75 46,79
$Net37 on Top Layer "Top Layer-$Net37" (solid, pour order 0): 588.82,1109.24 600.49,1079.68 610.91,1030.91 605.07,1025.07 605.07,897.99 610.91,897.99 775.91,1062.99 722.98,1115.92 594.67,1115.92 587.17,1108.42
$Net0 on Bottom Layer (solid, pour order 395): 29,2838 33,2842 2212,2842 2212,120.22 2226,106.22 2181.78,62 12,62

## Keep-outs
Keep-Out Layer:
  lines w3.94: 123.99,2775.19 120.14,2771.23 116.58,2767.02 113.33,2762.57 110.39,2757.9 107.78,2753.04 105.52,2748.01 103.61,2742.83 102.07,2737.54 100.91,2732.15 100.12,2726.69 99.72,2721.19 99.67,2718.43 99.67,284.61 99.91,277.74 100.63,270.91 101.82,264.14 103.48,257.47 105.61,250.94 108.18,244.57 111.19,238.39 114.63,232.44 118.47,226.74 122.7,221.33 127.3,216.22 128.5,215 131.17,212.51 134.01,210.21 137,208.12 140.13,206.24 143.38,204.58 146.74,203.15 150.2,201.96 153.72,201.02 157.31,200.32 160.93,199.88 164.58,199.69 165.49,199.68 166.47,199.67 170.4,199.46 174.29,198.98 178.15,198.23 181.95,197.22 185.66,195.94 189.28,194.4 192.78,192.62 196.15,190.6 199.36,188.34 202.42,185.87 205.29,183.19 253.46,135.02 259.62,129.27 266.17,123.97 273.07,119.14 280.29,114.8 287.8,110.98 295.55,107.68 303.52,104.94 311.66,102.76 319.93,101.15 328.29,100.13 336.7,99.69 338.82,99.67 1531.33,99.67 1538.91,99.93 1546.45,100.73 1553.92,102.04 1561.28,103.88 1568.49,106.22 1575.52,109.06 1582.33,112.39 1588.9,116.18 1595.19,120.42 1601.16,125.09 1606.8,130.16 1608.15,131.49 1677.3,200.63 1677.4,200.73 1677.82,201.11 1678.26,201.45 1678.72,201.77 1679.21,202.05 1679.72,202.29 1680.24,202.5 1680.77,202.68 1681.32,202.81 1681.87,202.91 1682.43,202.97 1682.99,202.99 2107.17,202.99 ; 128.1,2778.86 132.46,2782.24 137.04,2785.31 141.83,2788.05 146.8,2790.45 151.92,2792.5 157.17,2794.19 162.52,2795.5 167.96,2796.44 173.45,2797 178.96,2797.17 ; 158.65,2310.65 154.52,2308.45 150.56,2305.98 146.78,2303.23 143.2,2300.23 139.84,2296.98 136.72,2293.51 133.84,2289.83 131.23,2285.96 128.89,2281.91 126.85,2277.71 125.1,2273.38 123.65,2268.94 122.52,2264.41 121.71,2259.8 121.22,2255.16 121.06,2250.49 121.22,2245.82 121.71,2241.18 122.52,2236.57 123.65,2232.04 125.1,2227.6 126.85,2223.27 128.89,2219.07 131.23,2215.02 133.84,2211.15 136.72,2207.47 139.84,2204 143.2,2200.75 146.78,2197.75 150.56,2195 154.52,2192.53 158.65,2190.33 162.92,2188.43 167.31,2186.84 171.8,2185.55 176.37,2184.58 180.99,2183.93 185.65,2183.6 190.33,2183.6 194.99,2183.93 199.61,2184.58 204.18,2185.55 208.67,2186.84 213.06,2188.43 217.33,2190.33 221.45,2192.53 225.42,2195 229.2,2197.75 232.77,2200.75 236.14,2204 239.26,2207.47 242.14,2211.15 244.75,2215.02 247.09,2219.07 249.13,2223.27 250.88,2227.6 252.33,2232.04 253.46,2236.57 254.27,2241.18 254.76,2245.82 254.92,2250.49 254.76,2255.16 254.27,2259.8 253.46,2264.41 252.33,2268.94 ; 178.41,2797.17 2107.17,2797.17 2109.93,2797.11 2115.43,2796.71 2120.89,2795.92 2126.28,2794.76 2131.57,2793.22 2136.75,2791.31 2141.78,2789.05 2146.64,2786.44 2151.31,2783.5 2155.76,2780.25 2159.97,2776.69 2163.93,2772.84 2167.6,2768.73 2170.98,2764.37 2174.05,2759.79 2176.79,2755 2179.19,2750.03 2181.24,2744.91 2182.93,2739.66 2184.24,2734.31 2185.18,2728.87 2185.74,2723.38 2185.91,2717.87 ; 2106.61,202.99 2112.12,203.16 2117.61,203.72 2123.05,204.66 2128.4,205.97 2133.65,207.66 2138.77,209.71 2143.74,212.11 2148.53,214.85 2153.11,217.92 2157.47,221.3 2161.58,224.97 2165.43,228.93 2168.99,233.14 2172.24,237.59 2175.18,242.26 2177.79,247.12 2180.05,252.15 2181.96,257.33 2183.49,262.62 2184.66,268.01 2185.45,273.47 2185.85,278.97 2185.91,281.73 2185.91,2718.43 ; 121.38,2250.15 121.54,2254.82 122.03,2259.46 122.84,2264.07 123.97,2268.6 125.42,2273.04 127.17,2277.37 129.21,2281.57 131.55,2285.62 134.16,2289.49 137.04,2293.17 140.16,2296.64 143.52,2299.89 147.1,2302.89 150.88,2305.64 154.84,2308.11 158.97,2310.31 163.24,2312.21 167.63,2313.8 172.12,2315.09 176.69,2316.06 181.31,2316.71 185.97,2317.04 190.65,2317.04 195.31,2316.71 199.93,2316.06 204.5,2315.09 208.99,2313.8 213.38,2312.21 217.65,2310.31 221.77,2308.11 225.74,2305.64 229.52,2302.89 233.09,2299.89 236.46,2296.64 239.58,2293.17 242.46,2289.49 245.07,2285.62 247.41,2281.57 249.45,2277.37 251.2,2273.04 252.65,2268.6 253.78,2264.07 254.59,2259.46 255.08,2254.82 255.24,2250.15 255.08,2245.48 254.59,2240.84 253.78,2236.23 252.65,2231.7 251.2,2227.26 249.45,2222.93 247.41,2218.73 245.07,2214.68 242.46,2210.81 239.58,2207.13 236.46,2203.66 233.09,2200.41 229.52,2197.41 225.74,2194.66 221.77,2192.19 217.65,2189.99 213.38,2188.09 208.99,2186.5 204.5,2185.21 199.93,2184.24 195.31,2183.59 190.65,2183.26 185.97,2183.26 181.31,2183.59 176.69,2184.24 172.12,2185.21 167.63,2186.5 163.24,2188.09 158.97,2189.99 154.84,2192.19 150.88,2194.66 147.1,2197.41 143.52,2200.41 140.16,2203.66 137.04,2207.13 134.16,2210.81 131.55,2214.68 129.21,2218.73 127.17,2222.93 125.42,2227.26 123.97,2231.7 122.84,2236.23 122.03,2240.84 121.54,2245.48 121.38,2250.15 ; 322.72,198.82 322.88,194.15 323.37,189.51 324.18,184.9 325.31,180.37 326.76,175.93 328.51,171.6 330.55,167.4 332.89,163.35 335.5,159.48 338.38,155.8 341.5,152.33 344.87,149.08 348.44,146.08 352.22,143.33 356.19,140.86 360.31,138.66 364.58,136.76 368.97,135.17 373.46,133.88 378.03,132.91 382.65,132.26 387.31,131.93 391.99,131.93 396.65,132.26 401.27,132.91 405.84,133.88 410.33,135.17 414.72,136.76 418.99,138.66 423.11,140.86 427.08,143.33 430.86,146.08 434.43,149.08 437.8,152.33 440.92,155.8 443.8,159.48 446.41,163.35 448.75,167.4 450.79,171.6 452.54,175.93 453.99,180.37 455.12,184.9 455.93,189.51 456.42,194.15 456.58,198.82 456.42,203.49 455.93,208.13 455.12,212.74 453.99,217.27 452.54,221.71 450.79,226.04 448.75,230.24 446.41,234.29 443.8,238.16 440.92,241.84 437.8,245.31 434.43,248.56 430.86,251.56 427.08,254.31 423.11,256.78 418.99,258.98 414.72,260.88 410.33,262.47 405.84,263.76 401.27,264.73 396.65,265.38 391.99,265.71 387.31,265.71 382.65,265.38 378.03,264.73 373.46,263.76 368.97,262.47 364.58,260.88 360.31,258.98 356.18,256.78 352.22,254.31 348.44,251.56 344.87,248.56 341.5,245.31 338.38,241.84 335.5,238.16 332.89,234.29 330.55,230.24 328.51,226.04 326.76,221.71 325.31,217.27 324.18,212.74 323.37,208.13 322.88,203.49 322.72,198.82 ; 1425.23,202.16 1425.39,197.49 1425.88,192.85 1426.69,188.24 1427.82,183.71 1429.27,179.27 1431.02,174.94 1433.06,170.74 1435.4,166.69 1438.01,162.82 1440.89,159.14 1444.01,155.67 1447.38,152.42 1450.95,149.42 1454.73,146.67 1458.69,144.2 1462.82,142 1467.09,140.1 1471.48,138.51 1475.97,137.22 1480.54,136.25 1485.16,135.6 1489.82,135.27 1494.5,135.27 1499.16,135.6 1503.78,136.25 1508.35,137.22 1512.84,138.51 1517.23,140.1 1521.5,142 1525.62,144.2 1529.59,146.67 1533.37,149.42 1536.94,152.42 1540.31,155.67 1543.43,159.14 1546.31,162.82 1548.92,166.69 1551.26,170.74 1553.3,174.94 1555.05,179.27 1556.5,183.71 1557.63,188.24 1558.44,192.85 1558.93,197.49 1559.09,202.16 1558.93,206.83 1558.44,211.47 1557.63,216.08 1556.5,220.61 1555.05,225.05 1553.3,229.38 1551.26,233.58 1548.92,237.63 1546.31,241.5 1543.43,245.18 1540.31,248.65 1536.94,251.9 1533.37,254.9 1529.59,257.65 1525.62,260.12 1521.5,262.32 1517.23,264.22 1512.84,265.81 1508.35,267.1 1503.78,268.07 1499.16,268.72 1494.5,269.05 1489.82,269.05 1485.16,268.72 1480.54,268.07 1475.97,267.1 1471.48,265.81 1467.09,264.22 1462.82,262.32 1458.69,260.12 1454.73,257.65 1450.95,254.9 1447.38,251.9 1444.01,248.65 1440.89,245.18 1438.01,241.5 1435.4,237.63 1433.06,233.58 1431.02,229.38 1429.27,225.05 1427.82,220.61 1426.69,216.08 1425.88,211.47 1425.39,206.83 1425.23,202.16 ; 2024.38,2207.15 2024.54,2202.48 2025.03,2197.84 2025.84,2193.23 2026.97,2188.7 2028.42,2184.26 2030.17,2179.93 2032.21,2175.73 2034.55,2171.68 2037.16,2167.81 2040.04,2164.13 2043.16,2160.66 2046.53,2157.41 2050.1,2154.41 2053.88,2151.66 2057.84,2149.19 2061.97,2146.99 2066.24,2145.09 2070.63,2143.5 2075.12,2142.21 2079.69,2141.24 2084.31,2140.59 2088.97,2140.26 2093.65,2140.26 2098.31,2140.59 2102.93,2141.24 2107.5,2142.21 2111.99,2143.5 2116.38,2145.09 2120.65,2146.99 2124.78,2149.19 2128.74,2151.66 2132.52,2154.41 2136.09,2157.41 2139.46,2160.66 2142.58,2164.13 2145.46,2167.81 2148.07,2171.68 2150.41,2175.73 2152.45,2179.93 2154.2,2184.26 2155.65,2188.7 2156.78,2193.23 2157.59,2197.84 2158.08,2202.48 2158.24,2207.15 2158.08,2211.82 2157.59,2216.46 2156.78,2221.07 2155.65,2225.6 2154.2,2230.04 2152.45,2234.37 2150.41,2238.57 2148.07,2242.62 2145.46,2246.49 2142.58,2250.17 2139.46,2253.64 2136.09,2256.89 2132.52,2259.89 2128.74,2262.64 2124.78,2265.11 2120.65,2267.31 2116.38,2269.21 2111.99,2270.8 2107.5,2272.09 2102.93,2273.06 2098.31,2273.71 2093.65,2274.04 2088.97,2274.04 2084.31,2273.71 2079.69,2273.06 2075.12,2272.09 2070.63,2270.8 2066.24,2269.21 2061.97,2267.31 2057.84,2265.11 2053.88,2262.64 2050.1,2259.89 2046.53,2256.89 2043.16,2253.64 2040.04,2250.17 2037.16,2246.49 2034.55,2242.62 2032.21,2238.57 2030.17,2234.37 2028.42,2230.04 2026.97,2225.6 2025.84,2221.07 2025.03,2216.46 2024.54,2211.82 2024.38,2207.15

## Silkscreen, mask and mechanical layers (free items; w line width, h text height)
Top Overlay:
  drawing of 1116 lines, arcs and shapes, not listed
  text "I/O Shield" at 1954.09,2718.81 h100 r270
  text "Arduino" at 2041,2712 h100 r270
  text "P63" at 1682.34,2692.72 h30
  text "RESET" at 1416,2648 h80 r270
  text "左后马达" at 283,2522 h60 r90
  text "右后马达" at 553,2517 h60 r90
  text "MOSI" at 1691.76,2346.6 h60 r270
  text "MISO" at 1789.25,2345.43 h60 r270
  text "GND" at 1488.68,2340.71 h60 r270
  text "SCK" at 1896,2329 h60 r270
  text "5V" at 1585,2282.06 h60 r270
  text "左前马达" at 284,2262 h60 r90
  text "右前马达" at 554,2259 h60 r90
  text "SPI" at 1983,2116.35 h60 r270
  text "P58" at 1870,1850 h30
  text "P54" at 1477.34,1847.72 h30
  text "P55" at 1582.34,1847.72 h30
  text "P56" at 1677.34,1847.72 h30
  text "P57" at 1772.34,1847.72 h30
  text "GND" at 1691.54,1847.22 h80 r270
  text "GPIO" at 1900,1842 h60 r270
  text "5V" at 1797.74,1797 h80 r270
  text "D13 D12 D11 D10" at 1983,1722 h58 r268.97
  text "D9 D8  D7  D6  D5  D4   D3  D2  D1  D0" at 1980,1274.88 h61 r270
  text "ADC 5V GND" at 281,1113 h60
  text "A0 A1 A2 A3 A4 A5 A6 A7" at 222,1066 h70 r270
  text "UNO&NANO通用" at 803,944 h100
  text "UART" at 1522,912.23 h80 r270
  text "GND" at 883.28,874.3 h80 r270
  text "SDA" at 1232.58,871 h80 r270
  text "GND" at 1138.43,869.39 h80 r270
  text "SCL" at 1341,864.24 h80 r270
  text "3V3" at 678,862 h80 r270
  text "VIN" at 777.27,849 h80 r270
  text "5V" at 1032,806.16 h80 r270
  text "RXD TXD GND 5V" at 1457,693.65 h50 r270
  text "P52" at 1782.34,262.72 h30
  text "P53" at 1927.34,262.72 h30
  text "P51" at 1667.34,257.72 h30
  text "P41" at 460,256.49 h30 r270
  text "P50" at 1545,255 h30
  text "ADC" at 484,237.63 h80
  text "P40" at 245,236 h30
  text "POWER" at 671,227.4 h80
  text "IIC" at 1185,227.4 h80
  text "GPIO" at 1763,187 h60
  text "P43" at 665,180 h30
  text "P44" at 755,180 h30
  text "P45" at 868,176 h30
  text "P46" at 1020,175 h30
  text "P47" at 1115,175 h30
  text "P48" at 1215,175 h30
  text "P49" at 1320,175 h30
  text "P42" at 513.53,171 h30
Bottom Overlay:
  drawing of 248 lines, arcs and shapes, not listed
  text "P61" at 2033.45,1982.79 h30
  text "P62" at 2127.49,1057.99 h30
  text "P59" at 220.94,918.03 h30
  text "P60" at 219.33,866.08 h30
Mechanical 13:
  lines w3.94: 1033.6,2163.59 1033.6,2384.06